# Allegro board MB1167.brd (continued)
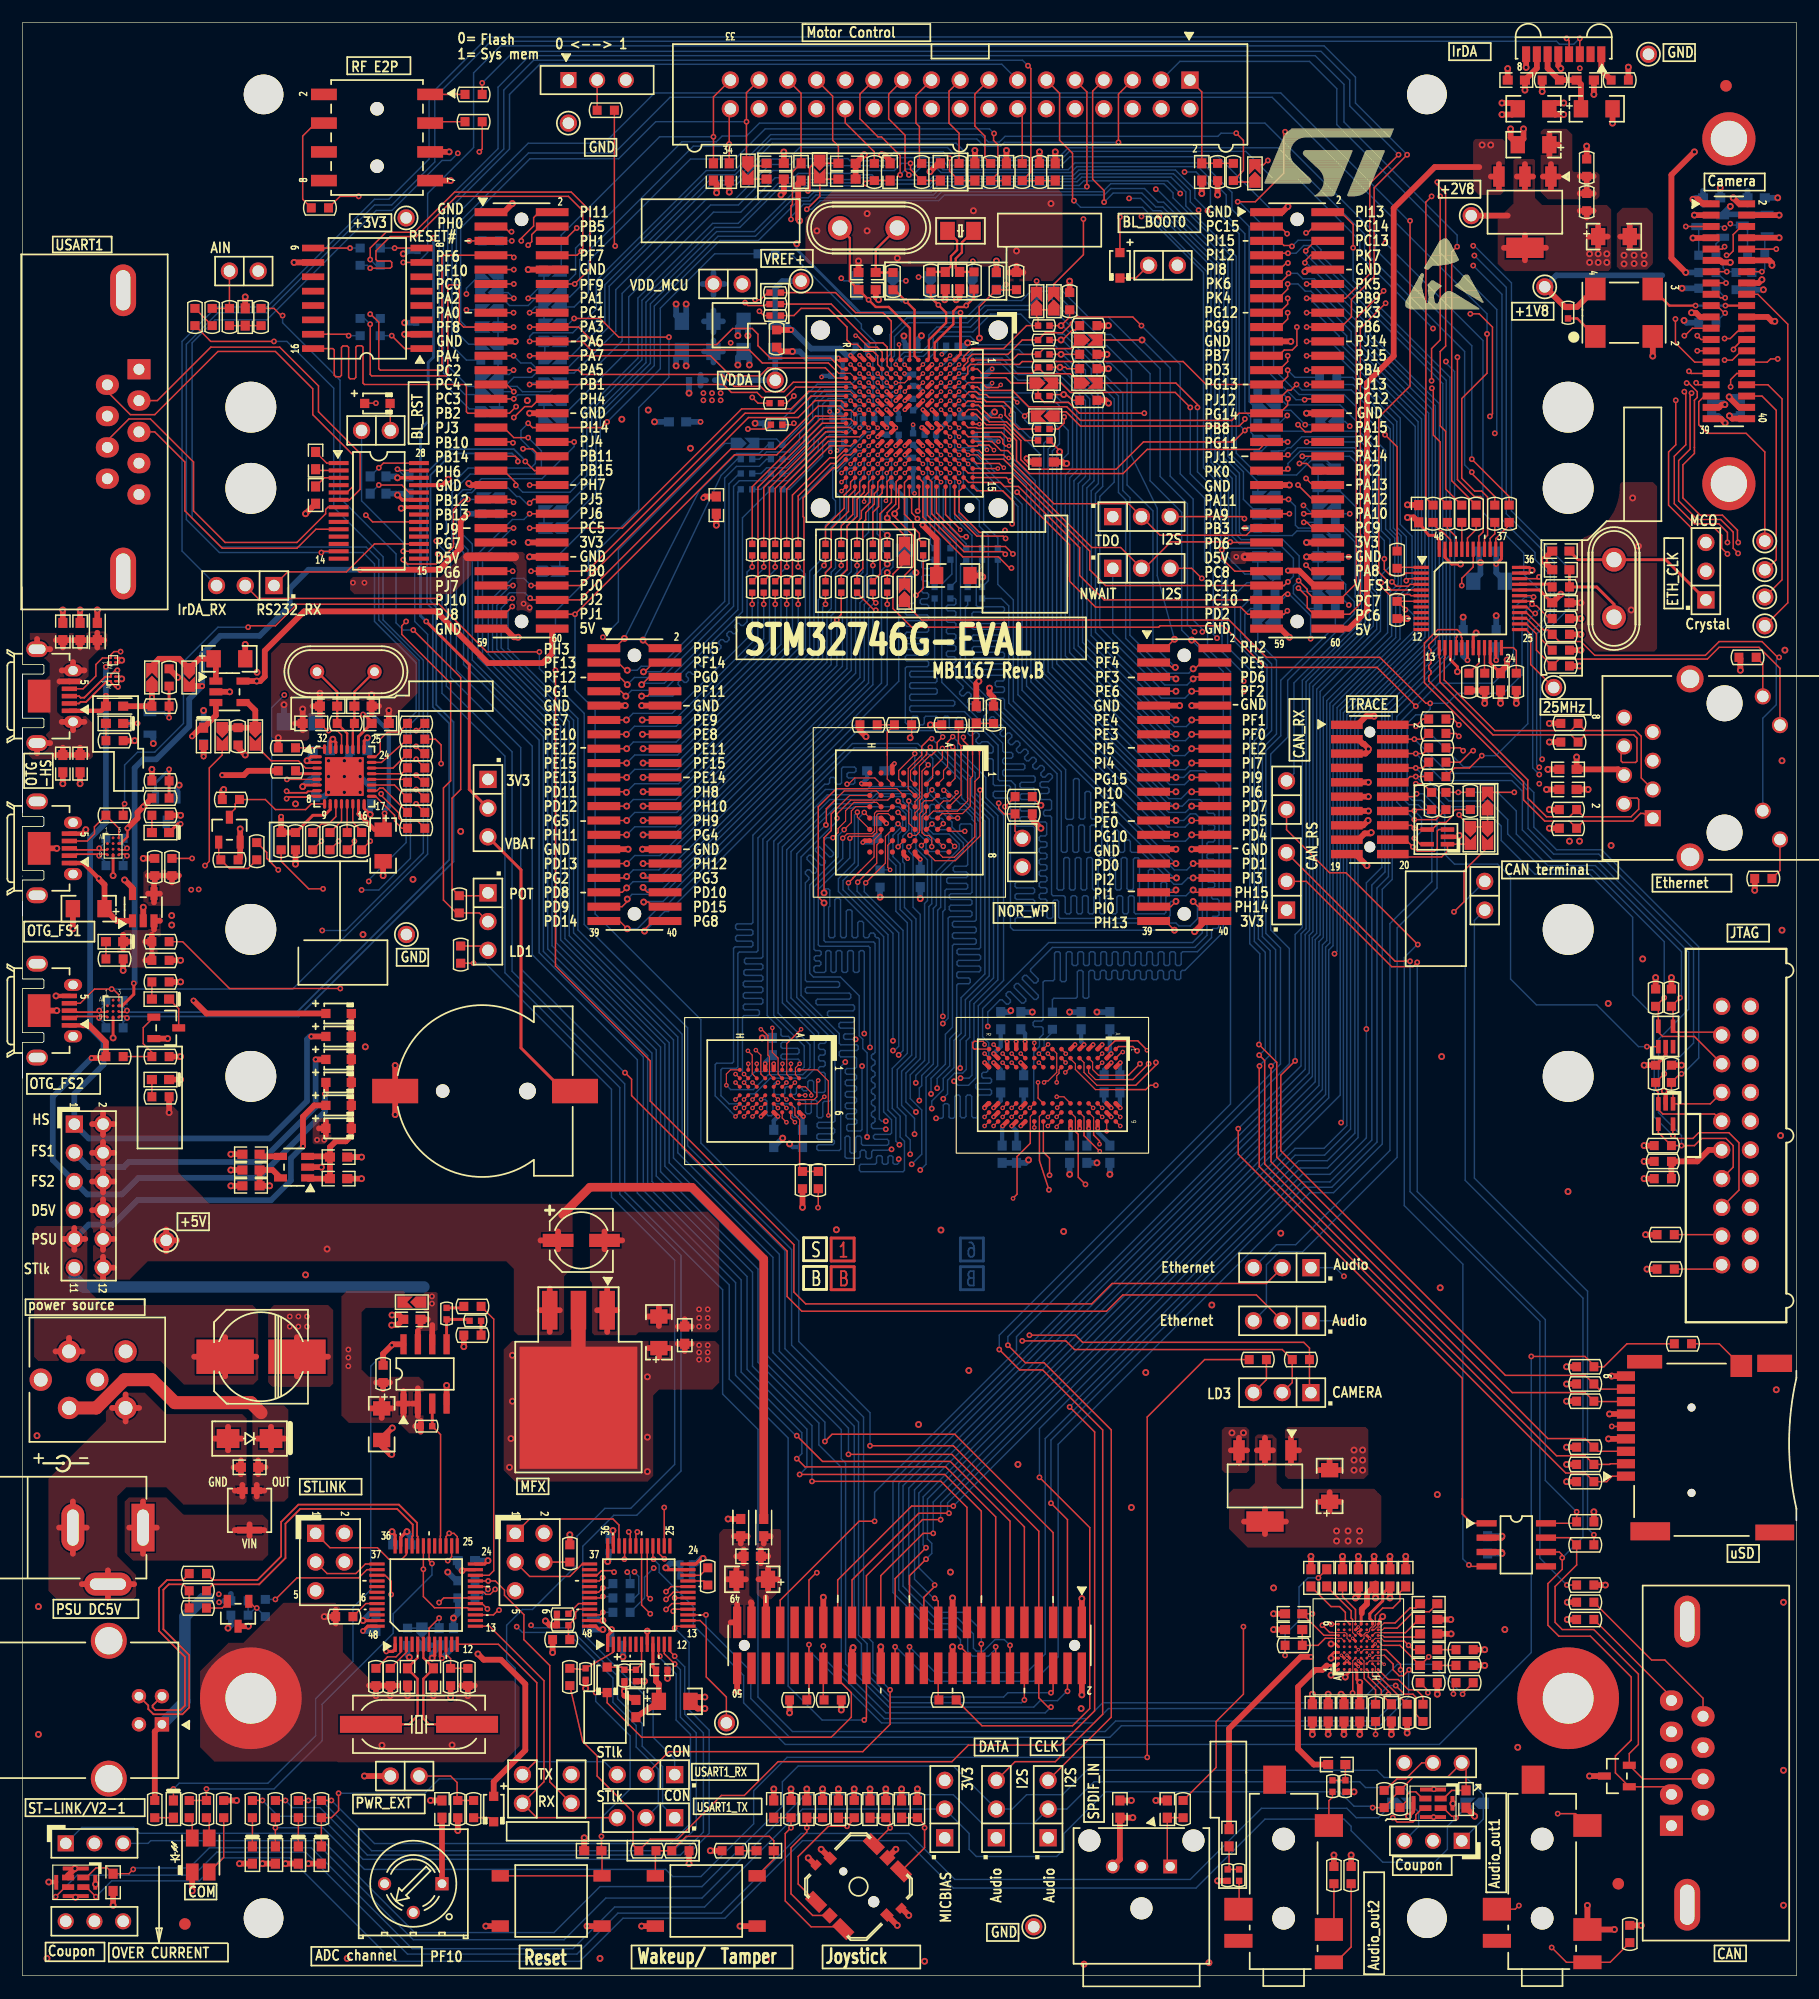
[diagram p0: board, top side]
## Routing (per net, layer and track width the routed paths; a pad name or vN(x,y) marks a point on that pad's centre or on a via; arc(x,y) is an arc through that point) (continued)
PB6: length 159.7
  TOP w0.127: v1(33.66,151.51) U3.7 ; v1(113.54,145.8) CN6.18 116.59,145.8 117.5,146.71 117.5,148.23 119.51,150.24 119.51,158.12 v1(122.43,161.04) ; v1(92.1,137.85) 92.1,137.31 91.57,136.78 R43.2
  L4_SIG w0.102: v1(113.54,145.8) 112.9,146.43 110.87,146.43 108.08,143.64 97.28,143.64 96.39,142.75 95.12,142.75 92.58,140.21 92.58,139.32 92.1,138.84 v1(92.1,137.85)
  BOTTOM w0.127: v1(33.66,151.51) R226.2 35.81,152.4 35.81,157.61 39.88,161.67 39.88,168.28 42.27,170.66 115.09,170.66 117.86,167.89 117.86,165.61 v1(122.43,161.04)
PB7: length 202.9
  TOP w0.127: v1(112.67,145.8) 112.67,144.17 112.27,143.76 111.56,143.76 111.05,143.26 CN6.21 ; v1(128.02,146.96) 128.8,146.96 129.97,145.8 129.97,138.13 v1(129.74,137.9) ; v5(87.95,139.13) 87.51,139.57 85.47,139.57 85.22,139.83 84.58,139.83 84.33,140.08 83.69,140.08 83.3,139.69 U4.B5 ; v1(88.39,56.13) 92.25,56.13 93.01,55.37 111.38,55.37 R301.2 112.27,52.45 111.38,51.56
  L4_SIG w0.102: v1(128.02,146.96) 123.47,146.96 121.72,145.21 113.33,145.21 112.75,145.8 v1(112.67,145.8) 111,145.8 106.81,141.6 97.03,141.6 92.84,137.41 89.92,137.41 88.27,139.06 88.01,139.06 v5(87.95,139.13) ; v1(129.74,137.9) 129.82,137.9 130.99,136.73 130.99,128.88 132.66,127.2 132.66,114.71 132.03,114.07 127.81,114.07 124.79,111.05 124.79,107.34 126.57,105.56 126.7,105.56 127.81,104.44 127.81,102.74 127.23,102.16 125.81,102.16 124.59,100.94 124.59,100.05 117.63,93.09 116.1,93.09 111.56,88.54 111.56,78.73 108.34,75.51 107.34,75.51 106.25,74.42 106.25,73.38 90.02,57.15 88.9,57.15 88.39,56.64 v1(88.39,56.13)
PB8: length 453.9
  TOP w0.127: v1(40.39,161.29) 40.64,161.54 R5.1 ; R195.1 123.19,23.11 123.19,24.64 122.94,24.89 122.17,24.89 v1(121.41,25.65) ; v1(69.53,29.27) CN20.40 69.53,24.57 R190.2 ; U4.A7 84.29,138.09 85.22,137.16 86.87,137.16 88.27,135.76 88.27,134.07 89.11,133.22 96.7,133.22 99.11,135.64 107.06,135.64 v1(108.08,136.65) 108.33,136.91 CN6.31
  L4_SIG w0.102: v1(40.39,161.29) 40.51,161.42 65.79,161.42 66.55,162.18 81.92,162.18 83.44,160.66 94.36,160.66 96.39,158.62 97.66,158.62 98.81,157.48 100.46,157.48 102.49,159.51 v1(102.74,159.51) 103,159.51 103.5,160.02 106.3,160.02 108.58,162.31 119.63,162.31 121.79,160.15 126.36,160.15 127.13,159.38 147.7,159.38 150.11,156.97 150.11,154.94 v1(150.5,154.56) 151.89,153.16 151.89,149.1 154.18,146.81 154.18,135.51 155.57,134.11 155.57,118.95 153.67,117.04 146.3,117.04 142.93,113.67 141.22,113.67 136.07,108.51 133.83,108.51 131.42,106.1 131.42,101.73 116.64,86.94 116.64,78.63 75.39,37.38 54.42,37.38 53.47,36.42 v1(53.47,35.69) 53.47,35.31 53.8,34.98 68.83,34.98 69.53,34.28 v1(69.53,29.27)
  BOTTOM w0.127: v1(121.41,25.65) 120.78,25.65 118.75,23.62 96.01,23.62 94.74,22.35 75.95,22.35 69.53,28.77 v1(69.53,29.27) ; v1(150.5,154.56) 150.37,154.69 T4.3 148.21,154.6 R183.1 ; v1(108.08,136.65) 107.57,137.16 107.57,154.05 105.03,156.59 105.03,158.24 103.76,159.51 v1(102.74,159.51) ; v1(53.47,35.69) 53.72,35.43 R290.1
PB9: length 411.9
  TOP w0.127: v1(121.67,161.04) 119.13,158.5 119.13,150.5 116.97,148.34 CN6.14 v1(113.54,148.34) ; v1(70.8,29.15) CN20.38 70.8,24.45 R191.2 ; v1(127.33,24.89) 127.33,24.97 R189.1 ; v5(86.49,140.68) 86.25,140.45 85.23,140.45 84.79,140.89 83.61,140.89 U4.B4 ; R3.1 v1(40.64,167.39)
  L4_SIG w0.089: 118.87,31.5 120.4,29.97
  L4_SIG w0.102: v1(116.59,75.44) 117.86,74.17 117.86,48.64 115.24,46.02 115.24,38.05 115.82,37.47 115.82,34.54 118.87,31.5 ; v1(151,154.94) 151.96,155.89 151.96,157.42 150.5,158.88 149.22,158.88 148.34,159.77 127.38,159.77 126.62,160.53 122.17,160.53 v1(121.67,161.04) ; v1(113.54,148.34) 112.9,148.97 110.74,148.97 109.22,147.45 95.76,147.45 92.2,143.89 90.93,143.89 88.39,141.35 87.15,141.35 v5(86.49,140.68) ; v1(54.1,35.71) 54.56,35.26 69.14,35.26 69.98,34.42 69.98,30.48 70.8,29.65 v1(70.8,29.15) ; v1(127.33,24.89) 125.83,26.39 124.43,26.39 122.07,28.75 121.62,28.75 120.4,29.97
  BOTTOM w0.127: R298.1 152.53,154.35 T5.3 151.13,154.81 v1(151,154.94) ; v1(113.54,148.34) 113.77,148.34 117.08,145.02 117.08,144.28 123.7,137.67 123.7,118.59 116.79,111.68 116.79,75.69 116.59,75.49 v1(116.59,75.44) ; v1(127.33,24.89) 124.69,27.53 121.56,27.53 118.16,24.13 95.5,24.13 94.11,22.73 76.2,22.73 70.8,28.13 v1(70.8,29.15) ; v1(40.64,167.39) 43.43,170.18 114.81,170.18 117.35,167.64 117.35,165.35 v1(121.67,161.04) ; v1(54.1,35.71) 54.1,35.69 54.48,35.31 54.48,33.78 54.1,33.4 R291.1
PB10: length 110.3
  TOP w0.127: v5(73.21,133.69) U4.P12 ; R102.2 v1(34.8,107.57) ; v1(43.36,135.56) 43.28,135.64 CN5.33
  L4_SIG w0.102: v1(34.8,107.57) 34.8,107.65 39.22,112.06 39.22,128.68 39.34,128.8 39.9,128.8 40.03,128.93 40.03,132.54 40.16,132.66 42.37,132.66 42.47,132.76 42.47,132.97 42.37,133.07 39.39,133.07 39.27,133.19 39.27,133.36 39.39,133.47 42.37,133.47 42.47,133.58 42.47,133.78 42.37,133.88 39.45,133.88 39.32,134.01 39.32,134.21 39.45,134.34 42.29,134.34 42.42,134.47 42.42,134.62 42.29,134.74 39.4,134.74 39.27,134.87 39.27,135.02 39.4,135.15 42.34,135.15 42.47,135.28 42.47,135.43 42.34,135.56 39.34,135.56 39.22,135.68 39.22,135.88 39.34,136 42.37,136 42.49,136.13 42.49,136.28 42.37,136.41 39.34,136.41 39.22,136.54 39.22,136.69 39.34,136.82 42.34,136.82 42.47,136.94 42.47,137.1 42.34,137.22 39.34,137.22 39.22,137.35 39.22,137.54 39.34,137.67 42.88,137.67 43,137.54 43,135.69 43.13,135.56 v1(43.36,135.56) 48.18,135.56 48.59,135.15 53.77,135.15 56.26,132.66 66.73,132.66 68.35,134.29 72.64,134.29 73.21,133.72 v5(73.21,133.69)
PB11: length 111.2
  TOP w0.127: v1(44.25,135.03) 45.09,135.03 45.75,134.37 CN5.36 ; v1(34.8,106.17) 35.43,105.54 R106.2 ; v5(72.41,132.89) U4.R13
  L4_SIG w0.102: v1(34.8,106.17) 35.18,106.17 35.31,106.3 35.31,107.64 39.57,111.91 39.57,128.3 39.7,128.42 40.28,128.42 40.41,128.55 40.41,131.29 40.51,131.4 43.06,131.4 43.18,131.52 43.18,131.68 43.06,131.8 40.51,131.8 40.41,131.9 40.41,132.16 40.54,132.28 42.72,132.28 43.03,132.59 44.6,132.59 44.73,132.71 44.73,132.89 44.6,133.02 42.98,133.02 42.85,133.15 42.85,134.9 42.98,135.03 v1(44.25,135.03) 44.37,135.15 45.7,135.15 45.82,135.03 45.82,134.49 45.93,134.37 46.1,134.37 46.22,134.49 46.22,135.06 46.34,135.18 46.51,135.18 46.63,135.06 46.63,134.51 46.75,134.39 46.92,134.39 47.03,134.51 47.03,135.03 47.15,135.15 47.32,135.15 47.44,135.03 47.44,134.51 47.56,134.39 47.73,134.39 47.85,134.51 47.85,134.96 47.97,135.08 48.13,135.08 48.25,134.96 48.25,134.49 48.37,134.37 48.54,134.37 48.66,134.49 48.66,134.65 48.76,134.75 48.96,134.75 49.07,134.65 49.07,134.13 49.19,134.01 49.35,134.01 49.47,134.13 49.47,134.65 49.57,134.75 49.78,134.75 49.88,134.65 49.88,133.39 50,133.27 50.17,133.27 50.29,133.39 50.29,134.65 50.39,134.75 50.59,134.75 50.69,134.65 50.69,132.76 50.81,132.64 50.98,132.64 51.1,132.76 51.1,134.65 51.2,134.75 51.4,134.75 51.5,134.65 51.5,132.64 51.63,132.51 51.84,132.51 51.97,132.64 51.97,134.62 52.1,134.75 52.3,134.75 52.43,134.62 52.43,132.56 52.55,132.44 52.79,132.44 52.92,132.56 52.92,134.57 53.05,134.7 53.26,134.7 53.39,134.57 53.39,132.41 53.52,132.28 68.12,132.28 68.25,132.41 68.25,133.73 68.38,133.86 68.61,133.86 68.71,133.76 68.71,132.72 68.81,132.61 69.01,132.61 69.11,132.72 69.11,133.76 69.22,133.86 69.42,133.86 69.52,133.76 69.52,132.72 69.62,132.61 69.82,132.61 69.93,132.72 69.93,133.76 70.03,133.86 70.23,133.86 70.33,133.76 70.33,132.72 70.43,132.61 70.64,132.61 70.74,132.72 70.74,133.76 70.84,133.86 71.04,133.86 71.15,133.76 71.15,132.72 71.25,132.61 71.45,132.61 71.55,132.72 71.55,133.76 71.65,133.86 72.28,133.86 72.41,133.73 v5(72.41,132.89)
PB12: length 112.1
  TOP w0.127: v5(75.61,132.89) U4.L13 ; v1(43.41,130.3) 43.15,130.56 CN5.41 ; R109.2 v1(34.8,104.9)
  L4_SIG w0.102: v1(34.8,104.9) 35.66,104.9 35.79,105.03 35.79,107.62 39.93,111.76 39.93,127.91 40.06,128.04 40.72,128.04 40.84,128.17 40.84,130.89 40.97,131.01 42.85,131.01 42.98,130.89 42.98,130.71 42.85,130.58 41.45,130.58 41.33,130.45 41.33,130.28 41.45,130.15 43.26,130.15 v1(43.41,130.3) 44.02,130.3 44.53,129.79 49.15,129.79 49.86,129.08 51.08,129.08 51.18,128.98 51.18,127.69 51.28,127.58 51.49,127.58 51.59,127.69 51.59,128.98 51.69,129.08 51.89,129.08 51.99,128.98 51.99,127.69 52.1,127.58 52.3,127.58 52.4,127.69 52.4,128.98 52.5,129.08 52.71,129.08 52.81,128.98 52.81,127.69 52.91,127.58 53.11,127.58 53.21,127.69 53.21,128.98 53.32,129.08 53.52,129.08 53.62,128.98 53.62,127.69 53.72,127.58 53.92,127.58 54.03,127.69 54.03,128.98 54.13,129.08 54.33,129.08 54.43,128.98 54.43,127.69 54.53,127.58 54.74,127.58 54.84,127.69 54.84,128.98 54.94,129.08 55.14,129.08 55.25,128.98 55.25,127.69 55.35,127.58 55.55,127.58 55.65,127.69 55.65,128.98 55.75,129.08 55.96,129.08 56.06,128.98 56.06,127.69 56.16,127.58 56.36,127.58 56.46,127.69 56.46,128.98 56.57,129.08 56.77,129.08 56.87,128.98 56.87,127.69 56.97,127.58 57.18,127.58 57.28,127.69 57.28,128.98 57.38,129.08 57.58,129.08 57.68,128.98 57.68,127.69 57.79,127.58 57.99,127.58 58.09,127.69 58.09,128.98 58.19,129.08 58.4,129.08 58.5,128.98 58.5,127.69 58.6,127.58 58.8,127.58 58.9,127.69 58.9,128.98 59,129.08 59.21,129.08 59.31,128.98 59.31,127.69 59.41,127.58 59.61,127.58 59.72,127.69 59.72,128.98 59.82,129.08 60.02,129.08 60.12,128.98 60.12,127.69 60.22,127.58 60.43,127.58 60.53,127.69 60.53,128.98 60.63,129.08 62.5,129.08 65.34,126.24 71.25,126.24 75.61,130.6 v5(75.61,132.89)
  BOTTOM w0.127: 42.16,130.56 42.42,130.3 v1(43.41,130.3)
PB13: length 110.5
  TOP w0.127: v5(76.34,130.43) 76.44,130.53 76.44,132.12 U4.K14 ; R115.2 v1(34.8,103.63) ; CN5.43 v1(43.41,129.29)
  L4_SIG w0.102: v5(76.34,130.43) 76.34,130.31 71.5,125.48 65.02,125.48 63.86,126.64 49.76,126.64 49.63,126.77 49.63,127.97 49.5,128.09 49.28,128.09 49.15,127.97 49.15,126.77 49.02,126.64 48.82,126.64 48.69,126.77 48.69,128.68 48.56,128.8 48.34,128.8 48.21,128.68 48.21,126.74 48.09,126.62 47.92,126.62 47.8,126.74 47.8,128.71 47.69,128.83 47.52,128.83 47.4,128.71 47.4,126.76 47.28,126.64 47.11,126.64 46.99,126.76 46.99,128.74 46.87,128.85 46.7,128.85 46.59,128.74 46.59,126.79 46.47,126.67 46.3,126.67 46.18,126.79 46.18,128.74 46.06,128.85 45.89,128.85 45.77,128.74 45.77,127.58 45.65,127.46 45.49,127.46 45.37,127.58 45.37,128.6 45.24,128.73 44.48,128.73 44.35,128.85 44.35,129.44 44.22,129.57 44.04,129.57 43.92,129.44 43.92,128.6 43.79,128.47 43.54,128.47 43.41,128.6 v1(43.41,129.29) 43.41,129.59 43.28,129.72 41.38,129.72 41.25,129.59 41.25,129.39 41.38,129.26 42.67,129.26 42.77,129.16 42.77,128.96 42.67,128.85 41.35,128.85 41.25,128.75 41.25,128.55 41.35,128.45 42.83,128.45 42.95,128.33 42.95,128.16 42.83,128.04 41.22,128.04 41.1,127.92 41.1,127.75 41.22,127.64 43,127.64 43.13,127.51 43.13,127.33 43,127.2 40.41,127.2 40.28,127.08 40.28,126.85 40.39,126.75 42.72,126.75 42.82,126.64 42.82,126.44 42.72,126.34 40.39,126.34 40.28,126.24 40.28,111.61 36.2,107.52 36.2,104.27 35.56,103.63 v1(34.8,103.63)
  BOTTOM w0.127: R259.2 v1(43.41,129.29)
PB14: length 113.9
  TOP w0.127: v5(72.41,132.09) U4.R14 ; CN5.35 43.56,134.37 43.79,134.14 v1(43.79,133.91)
  TOP w0.155: D6.D3 8.56,84.83 9.09,84.83 v1(9.23,84.69)
  L4_SIG w0.13: v5(72.41,132.09) 72.2,131.88 69.7,131.88 69.39,131.57 50.67,131.57 49.12,133.12 46.26,133.12 44.94,134.44 44.35,134.44 43.81,133.91 v1(43.79,133.91)
  BOTTOM w0.155: R288.2 8.89,84.35 v1(9.23,84.69) 9.37,84.83 24.41,84.83 38.1,98.52 38.1,110.87 36.58,112.39 36.58,121.03 36.07,121.54 36.07,132.71 37.98,134.62 43.28,134.62 43.79,134.11 v1(43.79,133.91)
PB15: length 113.8
  TOP w0.127: CN5.38 45.26,133.1 v1(44.45,133.91) ; v5(72.41,131.29) U4.R15
  TOP w0.155: D6.C3 8.56,85.21 9.09,85.21 v1(9.23,85.35)
  L4_SIG w0.13: v5(72.41,131.29) 72.2,131.5 69.86,131.5 69.55,131.19 50.52,131.19 48.97,132.74 46.1,132.74 44.78,134.06 44.58,134.06 44.45,133.93 v1(44.45,133.91)
  BOTTOM w0.155: v1(44.45,133.91) 44.45,133.99 43.43,135 37.82,135 35.76,132.94 35.76,121.34 36.27,120.83 36.27,112.19 37.72,110.74 37.72,98.68 24.25,85.21 9.37,85.21 v1(9.23,85.35) 8.89,85.69 R286.2
PC0: length 111.3
  TOP w0.127: v5(74.81,142.49) U4.M2 ; R125.2 29.34,100.2 v1(29.34,100.33) ; CN5.11 v1(43.43,149.61)
  L4_SIG w0.102: v1(29.34,100.33) 29.84,100.33 31.5,101.98 31.5,103.38 32.21,104.09 32.21,109.68 35.61,113.08 35.61,113.23 35.02,113.82 35.02,113.96 35.16,114.11 35.31,114.11 35.9,113.51 36.04,113.51 36.19,113.66 36.19,113.8 35.59,114.39 35.59,114.54 35.74,114.68 35.88,114.68 36.47,114.09 36.62,114.09 37.47,114.94 37.47,128.65 36.7,129.41 36.7,138.3 37.47,139.06 37.47,142.75 40.01,145.29 40.01,146.56 40.12,146.68 42.65,146.68 42.77,146.8 42.77,146.96 42.65,147.08 40.42,147.08 40.32,147.18 40.32,147.45 40.45,147.57 42.67,147.57 42.8,147.7 42.8,147.96 42.67,148.08 40.49,148.08 40.36,148.21 40.36,148.46 40.49,148.59 42.6,148.59 42.72,148.72 42.72,148.97 42.6,149.1 41.53,149.1 41.4,149.22 41.4,149.48 41.53,149.61 v1(43.43,149.61) 44.07,148.97 51.18,148.97 53.98,146.18 64.39,146.18 65.66,144.91 68.71,144.91 69.8,143.81 73.2,143.81 73.65,143.36 73.65,143.14 73.92,142.88 74.42,142.88 v5(74.81,142.49)
PC1: length 37.8
  TOP w0.127: U4.M3 v5(74.81,141.69) ; CN5.16 v1(44.83,147.07)
  L4_SIG w0.102: v5(74.81,141.69) 74.38,142.11 67.01,142.11 65.91,143.21 61.14,143.21 60.07,144.27 52.73,144.27 49.94,147.07 v1(44.83,147.07)
  BOTTOM w0.127: SB22.1 SB31.1 45.34,147.57 v1(44.83,147.07)
PC2: length 39
  TOP w0.127: U4.M4 v5(74.81,140.89) ; CN5.23 v1(43.41,141.99)
  L4_SIG w0.102: v5(74.81,140.89) 74.39,140.46 71.37,140.46 69.7,138.79 58.88,138.79 56.11,141.55 43.84,141.55 v1(43.41,141.99)
  BOTTOM w0.127: R241.1 SB38.1 43.03,141.6 v1(43.41,141.99)
PC3: length 43.8
  TOP w0.127: CN5.27 v1(43.43,139.45) ; U4.L4 v5(75.61,140.89)
  L4_SIG w0.102: v5(75.61,140.89) 75.61,140.89 75.18,140.46 75.18,138.3 74.93,138.05 73.53,138.05 72.67,137.19 68.78,137.19 68.33,136.73 67.69,136.73 66.52,137.9 57.56,137.9 55.5,139.95 43.94,139.95 v1(43.43,139.45)
  BOTTOM w0.127: v1(43.43,139.45) 43.79,139.8 45.62,139.8 SB41.1 SB44.1
PC4: length 37.6
  TOP w0.127: v1(43.43,140.08) 42.8,140.72 CN5.25 ; v5(74.01,140.09) U4.N5
  L4_SIG w0.102: v5(74.01,140.09) 73.65,139.73 71.3,139.73 69.93,138.35 58.12,138.35 56.21,140.26 43.61,140.26 v1(43.43,140.08)
  BOTTOM w0.127: v1(43.43,140.08) 42.42,140.08 42.16,139.83 42.16,138.56
PC5: length 36.8
  TOP w0.102: 71.63,140.11 73.19,140.11 U4.P5
  TOP w0.127: 71.63,140.11 69.49,140.11 67.94,138.56 63.58,138.56 53.04,128.02 CN5.46 v1(44.83,128.02)
  BOTTOM w0.127: v1(44.83,128.02) SB55.1 SB53.1
PC13: length 251.5
  TOP w0.127: U4.D1 v5(82.01,143.29) ; v1(113.46,152.53) 113.46,152.58 114.3,153.42 CN6.6 ; v1(92.58,50.29) 94.79,48.08 94.79,23.42 91.76,20.38 83.63,20.38 82.17,18.92 66.8,18.92 63.82,15.94 61.79,15.94 57.91,12.06 55.5,12.06 R216.2 53.98,11.56 53.98,14.48 50.8,17.65 50.8,19.43 49.53,20.7 R180.2
  L4_SIG w0.102: v1(113.46,152.53) 113.26,152.53 112.62,151.89 110.41,151.89 109.75,152.55 96.16,152.55 92.58,148.97 91.06,148.97 90.17,148.08 85.75,148.08 82.01,144.34 v5(82.01,143.29)
  BOTTOM w0.127: v1(113.46,152.53) 113.46,152.25 119.14,146.57 119.14,145.15 125.27,139.01 125.27,117.63 120.19,112.55 120.19,98.02 118.82,96.65 v1(118.82,83.72) 118.82,74.09 115.6,70.87 113.16,70.87 v1(92.58,50.29)
PC14: length 9.4
  TOP w0.203: R18.2 84.12,148.39 v1(83.44,147.7) 83.31,147.57 82.68,147.57 82.3,147.19 82.3,146.05 80.64,144.4 80.64,143.05 U4.E1
  BOTTOM w0.127: v1(83.44,147.7) 83.44,147.96 83.95,148.46 SB25.1
PC15: length 8.8
  TOP w0.203: U4.F1 80.14,143.01 80.14,144.65 81.66,146.18 81.66,147.07 v1(80.98,147.75) 80.31,148.41 R17.2
  BOTTOM w0.127: v1(80.98,147.75) 80.9,147.75 80.26,148.39 SB26.1
PD4: length 127.4
  TOP w0.102: U9.G2 75.36,105.92 73.57,105.92 73.03,105.37 v4(72.9,105.37) ; U14.A2 68.33,79.69 68.33,80.27 v5(68.71,80.64)
  TOP w0.127: v5(82.01,134.49) U4.D11 ; CN11.28 v3(103.38,100.89)
  L4_SIG w0.102: v3(103.38,100.89) 102.67,101.6 99.14,101.6 98.76,101.98 82.06,101.98 81.48,101.4 80.09,101.4 77.8,103.68 77.8,104.03 77.57,104.26 77.06,104.78 73.49,104.78 v4(72.9,105.37)
  BOTTOM w0.127: v5(68.71,80.64) 68.71,80.92 68.58,81.05 67.18,81.05 67.06,81.18 67.06,81.38 67.18,81.5 68.53,81.5 68.66,81.63 68.66,81.88 68.53,82.01 67.18,82.01 67.06,82.14 67.06,82.43 67.18,82.56 67.72,82.56 67.84,82.69 67.84,82.94 67.72,83.07 67.18,83.07 67.06,83.2 67.06,83.69 65.84,84.91 65.84,100.28 70.92,105.37 71.22,105.37 71.35,105.5 71.35,105.84 71.48,105.97 71.73,105.97 71.86,105.84 71.86,105.5 71.99,105.37 72.29,105.37 72.42,105.5 72.42,106.76 72.54,106.88 73.56,106.88 73.69,106.76 73.69,106.53 73.56,106.4 73.03,106.4 72.9,106.27 72.9,106.05 73.03,105.92 73.46,105.92 73.58,105.79 73.58,105.5 73.46,105.37 v4(72.9,105.37) ; v3(103.38,100.89) 102.82,100.33 100.97,100.33 88.01,113.28 88.01,129.92 83.82,134.11 82.42,134.11 82.05,134.49 v5(82.01,134.49)
PD5: length 63.3
  TOP w0.127: CN11.26 v3(103.38,102.16) ; R107.2 v3(90.04,103.5) ; v5(82.81,135.29) U4.C10
  L4_SIG w0.102: v3(103.38,102.16) 103.38,102.77 103.28,102.87 99.06,102.87 98.42,103.5 v3(90.04,103.5)
  BOTTOM w0.127: v3(103.38,102.16) 102.79,101.57 101.24,101.57 88.77,114.05 88.77,131.83 87.71,132.89 86.05,132.89 85.66,133.29 85.66,133.54 84.07,135.13 82.97,135.13 v5(82.81,135.29)
PD7: length 75
  TOP w0.127: v3(78.49,109.47) 78.61,109.6 R91.2 ; v5(87.2,134.21) 87.02,134.21 86.74,134.49 84.96,134.49 84.57,134.89 U4.A11 ; CN11.24 v3(103.38,103.43)
  L4_SIG w0.102: v3(103.38,103.43) 102.79,104.01 99.06,104.01 98.63,104.44 84.02,104.44 82.3,106.17 80.14,106.17 78.11,108.2 78.11,109.09 v3(78.49,109.47)
  BOTTOM w0.127: v3(103.38,103.43) 102.82,102.87 101.35,102.87 89.53,114.68 89.53,132.21 87.62,134.12 87.29,134.12 v5(87.2,134.21)
PE0: length 140.8
  TOP w0.102: U14.A1 70.26,80.11 71.25,79.12 v5(71.25,76.07) ; v5(89.46,75.01) U13.K9
  TOP w0.127: U4.A6 84.51,138.89 85.22,138.18 85.25,138.18 85.63,137.79 86.36,137.79 v5(86.49,137.92) ; CN11.25 v3(101.98,102.16)
  L4_SIG w0.102: v5(71.25,76.07) 76.45,76.07 76.71,75.82 v1(80.77,75.82) 81.13,76.17 84.18,76.17 84.7,76.7 84.7,76.89 84.91,77.1 87.61,77.1 87.81,76.89 87.81,76.65 88.17,76.3 88.57,76.3 88.7,76.17 88.7,75.72 88.82,75.59 90.02,75.59 90.14,75.46 90.14,74.19 90.02,74.07 89.59,74.07 89.46,74.19 v5(89.46,75.01)
  BOTTOM w0.127: v1(80.77,75.82) 81.28,75.82 81.41,75.95 81.41,76.99 81.54,77.11 81.79,77.11 81.92,76.99 81.92,75.95 82.04,75.82 82.3,75.82 82.42,75.95 82.42,77.75 82.55,77.88 82.78,77.88 82.91,77.75 82.91,76 83.04,75.87 83.29,75.87 83.42,76 83.42,77.75 83.54,77.88 83.8,77.88 83.93,77.75 83.93,76 84.05,75.87 84.31,75.87 84.43,76 84.43,77.75 84.56,77.88 85.55,77.88 85.67,78 85.67,78.26 85.55,78.38 84.43,78.38 84.3,78.51 84.3,78.79 84.43,78.92 85.55,78.92 85.67,79.04 85.67,79.25 85.55,79.38 84.94,79.38 84.81,79.51 84.81,79.76 84.94,79.89 85.22,79.89 85.34,80.01 85.34,80.5 85.43,80.59 85.43,80.89 85.34,80.98 85.34,81.3 85.43,81.39 85.43,81.69 85.34,81.78 85.34,82.1 85.43,82.19 85.43,82.49 84.89,83.03 84.89,85.52 90.73,91.36 103.45,91.36 104.32,92.23 104.32,102.16 103.73,102.74 103.25,102.74 102.67,102.16 v3(101.98,102.16) 101.42,102.16 89.15,114.43 89.15,132.03 87.44,133.74 87.11,133.74 86.79,134.06 86.79,137.41 86.49,137.72 v5(86.49,137.92)
PE1: length 145.6
  TOP w0.102: U14.B2 67.56,79.71 67.56,82.42 67.94,82.8 ; v5(89.46,82.5) U13.K1
  TOP w0.127: U4.A5 84.19,139.69 84.43,139.45 84.96,139.45 85.22,139.19 86.74,139.19 87.37,138.56 87.37,138.05 v5(87.38,138.05) ; v5(68.83,83.69) 67.94,82.8 ; CN11.23 v3(101.98,103.43)
  L4_SIG w0.102: v5(89.46,82.5) 89.46,80.37 89.33,80.24 88.67,80.24 88.54,80.37 88.54,80.49 88.67,80.62 88.9,80.62 89.03,80.75 89.03,80.9 88.9,81.03 88.77,81.03 88.65,81.15 88.65,81.31 88.77,81.43 88.98,81.43 89.1,81.55 89.1,81.72 88.98,81.84 88.69,81.84 88.57,81.96 88.57,82.13 88.69,82.25 88.9,82.25 89.03,82.37 89.03,82.75 89.15,82.88 89.46,82.88 89.59,83.01 89.59,83.11 89.46,83.24 88.7,83.24 88.57,83.36 88.57,83.54 88.7,83.67 89.44,83.67 89.56,83.79 89.56,83.95 89.44,84.07 88.37,84.07 88.24,83.95 88.24,82.09 88.11,81.97 87.58,81.97 87.45,82.09 87.45,83.85 87.33,83.97 87.12,83.97 86.99,83.85 86.99,83.21 86.89,83.11 86.69,83.11 86.59,83.21 86.59,83.67 86.46,83.79 85.47,83.79 85.34,83.92 v1(85.34,83.95) 85.17,83.77 68.91,83.77 v5(68.83,83.69)
  BOTTOM w0.127: v5(87.38,138.05) 87.38,137.16 89.92,134.62 89.92,115 101.21,103.71 101.46,103.71 101.74,103.43 v3(101.98,103.43) 102.54,103.43 103.12,104.01 104.09,104.01 104.72,103.38 104.72,102.93 104.85,102.8 105.28,102.8 105.41,102.67 105.41,102.42 105.28,102.29 104.85,102.29 104.72,102.16 104.72,101.91 104.85,101.78 105.28,101.78 105.41,101.66 105.41,101.4 105.28,101.28 104.85,101.28 104.72,101.15 104.72,100.89 104.85,100.77 105.28,100.77 105.41,100.64 105.41,100.39 105.28,100.26 104.85,100.26 104.72,100.13 104.72,99.88 104.85,99.75 105.28,99.75 105.41,99.62 105.41,99.37 105.28,99.24 104.85,99.24 104.72,99.12 104.72,98.86 104.85,98.74 105.28,98.74 105.41,98.61 105.41,98.35 105.28,98.23 104.85,98.23 104.72,98.1 104.72,97.85 104.85,97.72 105.28,97.72 105.41,97.59 105.41,97.34 105.28,97.21 104.85,97.21 104.72,97.08 104.72,96.83 104.85,96.7 105.28,96.7 105.41,96.58 105.41,96.32 105.28,96.2 104.85,96.2 104.72,96.07 104.72,92 103.66,90.93 91.06,90.93 89.13,89 89.13,88.82 89.8,88.15 89.8,87.97 89.62,87.79 89.44,87.79 88.77,88.46 88.59,88.46 88.41,88.28 88.41,88.1 89.82,86.69 89.82,86.51 89.64,86.33 89.46,86.33 88.05,87.74 87.87,87.74 87.69,87.56 87.69,87.38 88.7,86.37 88.7,86.19 88.52,86.01 88.34,86.01 87.33,87.02 87.15,87.02 86.97,86.84 86.97,86.66 87.35,86.28 87.35,86.1 87.17,85.92 86.99,85.92 86.61,86.3 86.43,86.3 85.34,85.22 v1(85.34,83.95)
PF6: length 53.2
  TOP w0.127: R24.2 65.79,147.83 65.66,147.7 64.14,147.7 v1(63.88,147.96) ; v1(43.43,151.96) 43.42,151.96 43.23,152.15 CN5.7 37.21,152.15 37.08,152.02 37.08,142.11 36.96,141.99 31.62,141.99 31.5,142.11 31.5,146.23 30.78,146.94 v1(30.73,146.94)